# KiCad board 8851_HW-U1-VCU118_REV2-0_071417.kicad_pcb (continued)
## Routing (per net, layer and track width the routed paths; a pad name or vN(x,y) marks a point on that pad's centre or on a via; arc(x,y) is an arc through that point) (continued)
FIREFLY_RX4_P: length 72.6
  TOP w0.102: 40.98,64.15 40.98,63.56 arc(40.97,63.52) 40.95,63.49 40.88,63.42 arc(40.86,63.38) 40.85,63.34 40.85,63.03 arc(41.36,63.24) 41.15,62.73 41.77,62.73 arc(41.81,62.73) 41.84,62.76 v3(42.19,63.11)
  TOP w0.113: v2(96.69,43.15) 97.18,43.64
  05_SIG2 w0.107: v2(96.69,43.15) 96.69,42.87 arc(96.66,42.79) 96.58,42.76 93.73,42.76 arc(93.62,42.78) 93.52,42.85
  05_SIG2 w0.15: 93.52,42.85 86.67,42.85 arc(85.28,43.13) 84.09,43.92 83.05,44.96 arc(82.58,45.27) 82.03,45.38 69.6,45.38 arc(67.73,45.75) 66.14,46.81 62.65,50.31 arc(62.11,51.11) 61.92,52.06 61.92,56.18 arc(61.79,56.83) 61.43,57.38 55.7,63.11 arc(54.43,63.95) 52.94,64.25 45.82,64.25 arc(45.89,64.44) 45.71,64.36 arc(45.67,64.44) 45.6,64.47 45.07,64.47 arc(44.99,64.44) 44.96,64.36 arc(44.92,64.28) 44.85,64.25 44.38,64.25 arc(43.81,64.02) 43.58,63.45 43.58,63.08 arc(43.49,62.88) 43.29,62.8 42.56,62.8 arc(42.5,62.81) 42.45,62.85 v3(42.19,63.11)
FIREFLY_SCL: length 81.3
  TOP w0.15: v3(44.67,87.05) 44.42,86.8 42.76,86.8 41.2,85.24 41.2,84.88 40.98,84.67 40.98,83.9
  03_SIG1 w0.17: v3(58.91,139.2) 58.7,139.4 55.86,139.4 54.63,138.17 54.63,129.76 54.98,129.41 56.89,129.41 58.95,127.35 58.95,122.72 52.52,116.3 52.52,97.45 49.58,94.5 45.73,94.5 43.46,92.24 43.46,87.09 43.75,86.8 43.98,86.8 44.11,86.93 44.11,87.83 44.25,87.97 44.54,87.97 44.67,87.84 v3(44.67,87.05)
  BOTTOM w0.15: 59.97,139.2 v3(58.91,139.2) 58.6,139.2 56.77,141.03 55.84,141.03
FIREFLY_SDA: length 80.6
  TOP w0.15: v3(44.67,86.15) 44.4,86.42 42.88,86.42 41.55,85.1 41.55,84.88 41.77,84.67 41.77,83.9
  03_SIG1 w0.17: v3(44.67,86.15) 44.57,86.26 43.53,86.26 42.92,86.87 42.92,92.53 45.44,95.05 49.35,95.05 51.98,97.68 51.98,116.53 58.4,122.95 58.4,127.12 56.66,128.87 54.76,128.87 54.09,129.54 54.09,138.4 55.64,139.95 58.66,139.95 v3(58.91,140.2)
  BOTTOM w0.15: 55.84,141.67 56.9,141.67 58.38,140.2 v3(58.91,140.2) 59.97,140.2
FIREFLY_TX1_N: length 78.4
  TOP w0.102: v3(48.66,62.91) 48.31,62.56 arc(48.28,62.54) 48.24,62.53 47.21,62.53 arc(47.53,63.31) 46.75,62.98 46.75,63.34 arc(46.76,63.38) 46.78,63.42 46.86,63.49 arc(46.88,63.52) 46.89,63.56 46.89,64.15
  TOP w0.113: v2(99.64,45.12) 100.13,45.61
  03_SIG1 w0.107: v2(99.64,45.12) 99.64,45.41 arc(99.61,45.48) 99.54,45.51 99.43,45.51 arc(99.3,45.46) 99.25,45.34 99.25,43.92 arc(99.14,43.65) 98.88,43.54 94.61,43.54 arc(94.43,43.51) 94.29,43.41 arc(94.09,43.28) 93.85,43.23 93.48,43.23 arc(93.38,43.21) 93.3,43.16
  03_SIG1 w0.15: 93.3,43.16 84.84,43.16 arc(84.14,43.3) 83.55,43.69 82.7,44.54 arc(82.4,44.74) 82.05,44.81 78.65,44.81 arc(78.46,44.77) 78.29,44.66 arc(78.01,44.47) 77.67,44.4 68.4,44.4 arc(66.93,44.7) 65.69,45.53 62.76,48.46 arc(62.2,49.29) 62,50.28 62,56.28 arc(61.89,56.87) 61.56,57.36 58.89,60.03 arc(58.44,60.33) 57.91,60.44 47.84,60.44 arc(48.52,62.08) 46.88,61.4 46.88,61.86 arc(47.1,62.39) 47.63,62.6 48.29,62.6 arc(48.35,62.62) 48.4,62.65 v3(48.66,62.91)
FIREFLY_TX1_P: length 79.6
  TOP w0.102: v3(48.66,61.93) 48.31,62.27 arc(48.28,62.3) 48.24,62.3 47.21,62.3 arc(47.69,63.47) 46.53,62.98 46.53,63.34 arc(46.52,63.38) 46.5,63.42 46.42,63.49 arc(46.59,63.6) 46.39,63.56 46.39,64.15
  TOP w0.113: v2(99.64,46.11) 100.13,46.6
  03_SIG1 w0.107: 93.3,43.53 93.31,43.52 arc(93.4,43.45) 93.52,43.43 93.85,43.43 arc(94.01,43.46) 94.14,43.55 arc(94.36,43.69) 94.61,43.74 98.88,43.74 arc(99,43.79) 99.05,43.92 99.05,45.34 arc(99.16,45.6) 99.43,45.71 99.54,45.71 arc(99.61,45.74) 99.64,45.82 v2(99.64,46.11)
  03_SIG1 w0.15: 93.3,43.53 84.84,43.53 arc(84.28,43.64) 83.81,43.96 82.96,44.81 arc(82.54,45.09) 82.05,45.18 78.65,45.18 arc(78.31,45.12) 78.03,44.92 arc(77.86,44.82) 77.67,44.78 68.4,44.78 arc(67.08,45.04) 65.95,45.79 63.02,48.72 arc(62.55,49.44) 62.38,50.28 62.38,56.28 arc(62.23,57.01) 61.82,57.63 59.15,60.3 arc(58.58,60.68) 57.91,60.81 52.35,60.81 arc(52.48,61.12) 52.17,60.99 arc(52.11,61.12) 51.99,61.18 51.75,61.18 arc(51.62,61.12) 51.57,60.99 arc(51.51,60.87) 51.39,60.81 51.15,60.81 arc(51.28,61.12) 50.97,60.99 arc(50.91,61.12) 50.79,61.18 50.55,61.18 arc(50.42,61.12) 50.37,60.99 arc(50.31,60.87) 50.19,60.81 47.84,60.81 arc(48.26,61.81) 47.26,61.4 47.26,61.86 arc(47.37,62.12) 47.63,62.23 48.29,62.23 arc(48.35,62.22) 48.4,62.19 v3(48.66,61.93)
FIREFLY_TX2_N: length 71.3
  TOP w0.102: 46.89,65.73 46.89,66.21 arc(46.88,66.27) 46.84,66.32 46.8,66.36 arc(46.78,66.38) 46.77,66.4 arc(47.08,66.52) 46.75,66.48 46.75,66.5 arc(46.82,66.65) 46.97,66.71 47.56,66.71 arc(47.67,66.67) 47.71,66.56 arc(47.98,66.67) 47.87,66.4 48.07,66.4 arc(48.18,66.45) 48.23,66.56 arc(48.27,66.67) 48.38,66.71 49.28,66.71 arc(49.32,66.71) 49.35,66.68 v3(49.7,66.33)
  TOP w0.113: v2(98.66,47.09) 99.15,47.58
  03_SIG1 w0.107: v2(98.66,47.09) 98.66,47.37 arc(98.63,47.45) 98.55,47.48 93.45,47.48 arc(93.33,47.46) 93.23,47.39
  03_SIG1 w0.15: v3(49.7,66.33) 49.96,66.59 arc(50.01,66.63) 50.07,66.64 52.59,66.64 arc(52.86,66.59) 53.08,66.43 54.18,65.34 arc(54.45,65.16) 54.76,65.1 58.58,65.1 arc(59.59,64.9) 60.44,64.33 65.56,59.21 arc(66.14,58.33) 66.35,57.3 66.35,53.15 arc(68.87,54.2) 67.83,51.67 81,51.67 arc(81.78,51.52) 82.44,51.08 83.06,50.47 arc(83.52,50.16) 84.06,50.05 85.06,50.05 arc(85.35,49.99) 85.6,49.83 87.52,47.9 arc(88.09,47.52) 88.75,47.39 93.23,47.39
FIREFLY_TX2_P: length 68.7
  TOP w0.102: v3(49.7,67.32) 49.35,66.97 arc(49.32,66.95) 49.28,66.94 46.97,66.94 arc(46.66,66.81) 46.53,66.5 46.53,66.49 arc(46.52,66.44) 46.51,66.4 arc(46.5,66.39) 46.5,66.39 46.44,66.33 arc(46.41,66.28) 46.39,66.22 46.39,65.73
  TOP w0.113: v2(98.66,48.07) 99.15,48.57
  03_SIG1 w0.107: v2(98.66,48.07) 98.66,47.79 arc(98.63,47.71) 98.55,47.68 93.44,47.68 arc(93.33,47.7) 93.23,47.77
  03_SIG1 w0.15: v3(49.7,67.32) 49.96,67.06 arc(50.01,67.03) 50.07,67.01 52.59,67.01 arc(53,66.93) 53.35,66.7 54.44,65.61 arc(54.59,65.51) 54.76,65.47 58.58,65.47 arc(59.73,65.25) 60.71,64.59 65.83,59.47 arc(66.49,58.48) 66.72,57.3 66.72,53.15 arc(68.61,53.93) 67.83,52.05 81,52.05 arc(81.93,51.87) 82.71,51.34 83.32,50.73 arc(83.66,50.5) 84.06,50.42 85.06,50.42 arc(85.49,50.34) 85.86,50.09 87.79,48.17 arc(88.23,47.87) 88.75,47.77 93.23,47.77
FIREFLY_TX3_N: length 92.5
  TOP w0.102: v3(45.66,62.43) 45.37,62.72 arc(45.3,62.82) 45.28,62.95 45.28,63.45 arc(45.57,63.39) 45.32,63.56 45.37,63.61 arc(45.4,63.65) 45.41,63.71 45.41,64.15
  TOP w0.113: v2(97.67,45.12) 98.17,45.61
  03_SIG1 w0.107: v2(97.67,45.12) 97.67,45.41 arc(97.71,45.48) 97.78,45.51 97.89,45.51 arc(98.01,45.46) 98.07,45.34 98.07,45.05 arc(97.97,44.82) 97.74,44.73 93.25,44.73 arc(93.13,44.75) 93.04,44.82
  03_SIG1 w0.15: v3(45.66,62.43) 45.4,62.17 arc(45.36,62.13) 45.35,62.07 45.35,61.66 arc(45.13,61.14) 44.6,60.92 42.91,60.92 arc(42.82,60.9) 42.74,60.85 arc(42.5,60.69) 42.23,60.64 38.33,60.64 arc(38.84,61.88) 37.6,61.36 37.6,63.65 arc(38.04,64.7) 39.09,65.14 46.9,65.14 arc(47.39,65.04) 47.81,64.77 47.95,64.63 arc(48.62,64.17) 49.43,64.01 52.5,64.01 arc(52.7,63.97) 52.87,63.86 53.58,63.15 arc(53.86,62.97) 54.19,62.9 56.04,62.9 arc(58.06,62.5) 59.77,61.36 63.01,58.11 arc(63.58,57.27) 63.77,56.27 63.77,50.55 arc(63.94,49.7) 64.43,48.97 66.96,46.44 arc(67.53,46.06) 68.2,45.92 76.75,45.92 arc(76.91,45.96) 77.05,46.05 arc(77.44,46.31) 77.89,46.4 81.74,46.4 arc(83,46.15) 84.06,45.44 84.36,45.14 arc(84.72,44.9) 85.14,44.82 93.04,44.82
FIREFLY_TX3_P: length 91.8
  TOP w0.102: 44.92,64.15 44.92,63.7 arc(45.16,63.75) 44.96,63.61 45,63.56 arc(45.04,63.51) 45.05,63.45 45.05,62.97 arc(45.02,62.83) 44.94,62.71 v3(44.67,62.43)
  TOP w0.113: v2(97.67,46.11) 98.17,46.6
  03_SIG1 w0.107: v2(97.67,46.11) 97.67,45.82 arc(97.86,45.9) 97.78,45.71 97.89,45.71 arc(98.16,45.6) 98.27,45.34 98.27,45.05 arc(98.11,44.68) 97.74,44.53 93.25,44.53 arc(93.13,44.51) 93.04,44.44
  03_SIG1 w0.15: v3(44.67,62.43) 44.93,62.17 arc(44.97,62.13) 44.98,62.07 44.98,61.66 arc(44.87,61.4) 44.6,61.29 42.91,61.29 arc(42.67,61.25) 42.47,61.11 arc(42.36,61.04) 42.23,61.01 41.64,61.01 arc(41.71,61.18) 41.54,61.11 arc(41.51,61.18) 41.44,61.2 40.89,61.2 arc(40.82,61.18) 40.79,61.11 arc(40.76,61.04) 40.69,61.01 38.33,61.01 arc(38.58,61.61) 37.98,61.36 37.98,63.65 arc(38.3,64.44) 39.09,64.77 46.9,64.77 arc(47.25,64.7) 47.54,64.5 47.68,64.36 arc(48.48,63.83) 49.43,63.64 50.34,63.64 arc(50.6,63.53) 50.71,63.26 50.71,63.21 arc(51.09,63.59) 51.46,63.21 51.46,63.26 arc(51.57,63.53) 51.84,63.64 52.5,63.64 arc(52.56,63.63) 52.6,63.6 53.31,62.89 arc(53.71,62.62) 54.19,62.53 56.04,62.53 arc(57.92,62.15) 59.5,61.09 62.75,57.85 arc(63.23,57.12) 63.4,56.27 63.4,50.55 arc(63.6,49.55) 64.16,48.71 66.7,46.17 arc(67.39,45.71) 68.2,45.55 76.75,45.55 arc(77.06,45.61) 77.32,45.78 arc(77.58,45.96) 77.89,46.03 81.74,46.03 arc(82.86,45.8) 83.8,45.17 84.1,44.87 arc(84.58,44.55) 85.14,44.44 93.04,44.44
FIREFLY_TX4_N: length 80.3
  TOP w0.102: 45.41,65.73 45.41,66.27 arc(45.4,66.31) 45.38,66.34 45.31,66.41 arc(45.28,66.45) 45.28,66.49 45.28,67.6 arc(45.29,67.69) 45.32,67.77 45.39,67.86 v3(45.66,68.13)
  TOP w0.113: v2(95.71,45.12) 96.2,45.61
  03_SIG1 w0.107: v2(95.71,45.12) arc(95.59,45.4) 95.31,45.51 93.72,45.51 arc(93.48,45.55) 93.28,45.67 arc(93.19,45.72) 93.1,45.74 92.96,45.74 arc(92.84,45.72) 92.74,45.65
  03_SIG1 w0.15: v3(45.66,68.13) 45.4,68.39 arc(45.38,68.41) 45.36,68.43 45.35,68.5 45.35,69.22 arc(45.14,69.73) 44.63,69.94 42.9,69.94 arc(42.32,69.7) 42.08,69.11 42.08,67.21 arc(43.48,67.79) 42.9,66.38 46.97,66.38 arc(47.3,66.32) 47.59,66.13 48.4,65.32 arc(48.98,64.93) 49.66,64.79 52.7,64.79 arc(53.02,64.73) 53.3,64.55 53.54,64.3 arc(53.99,64) 54.51,63.9 55.5,63.9 arc(56.85,63.77) 58.15,63.37 arc(59.35,62.73) 60.4,61.87 63.85,58.41 arc(64.55,57.37) 64.8,56.14 64.8,50.44 arc(64.93,49.76) 65.32,49.18 67.03,47.47 arc(67.38,47.23) 67.81,47.15 79.94,47.15 arc(80.26,47.21) 80.53,47.39 80.97,47.83 arc(81.18,47.97) 81.43,48.02 81.97,48.02 arc(82.64,47.89) 83.21,47.51 83.72,47 arc(85.22,46) 86.97,45.65 92.74,45.65
FIREFLY_TX4_P: length 85
  TOP w0.102: v3(44.67,68.13) 44.97,67.83 45.01,67.77 arc(45.04,67.7) 45.05,67.63 45.05,67.63 arc(46.24,67.58) 45.05,67.6 45.05,66.49 arc(45.04,66.45) 45.02,66.41 44.95,66.34 arc(44.93,66.31) 44.92,66.27 44.92,65.73
  TOP w0.113: v2(95.71,46.11) 96.2,46.6
  03_SIG1 w0.107: v2(95.71,46.11) 95.71,45.82 arc(95.67,45.74) 95.6,45.71 93.72,45.71 arc(93.55,45.74) 93.41,45.82 arc(93.26,45.91) 93.1,45.94 92.95,45.94 arc(92.84,45.96) 92.74,46.03
  03_SIG1 w0.15: 92.74,46.03 86.97,46.03 arc(85.36,46.35) 83.99,47.26 83.48,47.77 arc(82.79,48.24) 81.97,48.4 81.43,48.4 arc(81.04,48.32) 80.7,48.1 80.26,47.66 arc(80.12,47.56) 79.94,47.53 67.81,47.53 arc(67.53,47.58) 67.29,47.74 65.59,49.45 arc(65.28,49.9) 65.17,50.44 65.17,56.14 arc(64.9,57.51) 64.12,58.68 60.66,62.14 arc(59.56,63.04) 58.3,63.72 arc(56.92,64.13) 55.5,64.28 54.51,64.28 arc(54.13,64.35) 53.81,64.57 53.56,64.81 arc(53.17,65.08) 52.7,65.17 49.66,65.17 arc(49.12,65.28) 48.66,65.58 47.86,66.39 arc(47.45,66.66) 46.97,66.76 44.11,66.76 arc(44.26,67.13) 43.89,66.98 arc(43.83,67.13) 43.67,67.19 43.51,67.19 arc(43.35,67.13) 43.29,66.98 arc(43.23,66.82) 43.07,66.76 42.9,66.76 arc(43.22,67.53) 42.45,67.21 42.45,67.63 arc(42.52,67.79) 42.68,67.86 arc(42.84,67.93) 42.91,68.09 42.91,68.23 arc(42.84,68.39) 42.68,68.46 arc(42.84,68.85) 42.45,68.69 42.45,69.11 arc(42.58,69.43) 42.9,69.56 43.06,69.56 arc(43.17,69.52) 43.21,69.41 43.21,69.31 arc(43.65,69.49) 43.47,69.06 43.56,69.06 arc(43.74,69.13) 43.81,69.31 arc(43.89,69.49) 44.07,69.56 44.63,69.56 arc(44.88,69.46) 44.98,69.22 44.98,68.5 44.96,68.43 arc(44.95,68.41) 44.93,68.39 v3(44.67,68.13)
FMC_HPC1_CLK0_M2C_N: length 146.5
  TOP w0.102: J2.H5 v3(169.15,164.5) ; v2(136.06,49.06) 135.57,49.55
  16_SIG5 w0.075: 139.55,49.41 139.53,49.41 139.49,49.45 136.14,49.45 136.06,49.38 v2(136.06,49.06)
  16_SIG5 w0.087: 139.55,49.41 148.67,49.41 151.89,52.63 151.89,93.33 153.77,95.21 156.19,95.21 158.1,97.11 158.1,101.31 159.11,102.32 159.72,102.32 163.57,106.17 164.28,106.17 172.69,114.59 172.69,121.42 173.23,121.96 173.23,139.51 174.13,140.42 174.13,150.46 171.16,153.44 171.16,164.9 170.81,165.26 169.91,165.26 v3(169.15,164.5)
FMC_HPC1_CLK0_M2C_P: length 146.5
  TOP w0.102: v2(136.06,50.04) 135.57,50.53 ; J2.H4 v3(170.4,164.5)
  16_SIG5 w0.075: v2(136.06,50.04) 136.06,49.72 136.14,49.65 139.49,49.65 139.53,49.69 139.55,49.69
  16_SIG5 w0.087: 139.55,49.69 148.56,49.69 151.62,52.75 151.62,93.44 153.66,95.48 156.08,95.48 157.82,97.22 157.82,101.42 158.99,102.59 159.6,102.59 163.46,106.45 164.16,106.45 172.42,114.7 172.42,121.54 172.96,122.08 172.96,139.62 173,139.67 173.86,140.53 173.86,150.35 170.89,153.32 170.89,164.79 170.7,164.98 170.02,164.98 169.72,164.69 169.72,164.1 169.83,164 170.23,164 170.4,164.17 v3(170.4,164.5)
FMC_HPC1_CLK1_M2C_N: length 159.3
  TOP w0.102: v2(131.14,53.98) 130.65,54.47 ; J2.G3 v3(171.65,163.25)
  18_SIG6 w0.075: v2(131.14,53.98) 131.14,54.26 131.25,54.37 131.4,54.37 131.53,54.24 131.53,51.61 131.73,51.42 132.29,51.42 132.52,51.19 132.52,47.74 132.77,47.48 134.22,47.48 135.24,47.48 136.22,47.48 137.21,47.48 137.87,47.48 137.87,47.48 138.19,47.48 139.18,47.48 139.84,47.48 139.88,47.44
  18_SIG6 w0.087: 139.88,47.44 140.52,47.44 143.97,50.89 143.97,65.63 147.42,69.08 147.42,84.79 148.53,85.9 149.73,85.9 151.9,88.07 151.9,93.31 152.52,93.93 163.59,93.93 165.76,96.1 168.72,96.1 170.14,97.52 170.14,102.47 169.85,102.76 169.85,104.47 170.22,104.83 170.22,135.66 171.4,136.84 171.4,141.04 173.66,143.3 173.66,163.59 173.24,164.01 172.41,164.01 v3(171.65,163.25)
FMC_HPC1_CLK1_M2C_P: length 159
  TOP w0.102: J2.G2 v3(172.9,163.25) ; v2(131.14,54.96) 130.65,55.46
  18_SIG6 w0.075: v2(131.14,54.96) 131.14,54.68 131.25,54.57 131.48,54.57 131.73,54.32 131.73,51.7 131.81,51.62 132.37,51.62 132.72,51.27 132.72,47.82 132.85,47.68 134.3,47.68 135.32,47.68 136.31,47.68 137.29,47.68 138.27,47.68 138.27,47.68 138.77,47.68 139.82,47.68 139.86,47.72 139.88,47.72
  18_SIG6 w0.087: 139.88,47.72 140.4,47.72 143.69,51.01 143.69,65.74 147.14,69.19 147.14,84.91 148.41,86.18 149.62,86.18 151.62,88.18 151.62,93.42 152.41,94.21 163.47,94.21 165.64,96.37 168.6,96.37 169.87,97.64 169.87,102.36 169.58,102.65 169.58,104.58 169.94,104.95 169.94,135.77 171.13,136.96 171.13,141.15 173.39,143.41 173.39,163.47 173.12,163.74 172.53,163.74 172.27,163.48 172.27,163 172.43,162.84 172.72,162.84 172.9,163.01 172.9,163.25 v3(172.9,163.25)
FMC_HPC1_IIC_SCL: length 74.8
  TOP w0.138: v3(142.06,120.25) 141.42,119.61 139.58,119.61
  TOP w0.15: J2.C30 v3(137.9,158.25)
  05_SIG2 w0.17: v3(137.9,158.25) 138.19,158.54 138.36,158.54 138.54,158.35 138.54,155.17 140.16,153.56 140.16,150.11 141.55,148.71 144.09,148.71 144.24,148.87 144.24,152.15 144.88,152.79 146.41,152.79 147.04,152.16 147.04,148.12 147.21,147.95 149.75,147.95 150.45,147.25 150.45,145.18 149.74,144.48 143.41,144.48 143.24,144.31 143.24,142.72 144.94,141.02 144.94,128.83 143.59,127.48 140.97,127.48 140.51,127.02 140.51,125.78 141.06,125.23 141.06,122.32 141.45,121.93 141.45,120.86 v3(142.06,120.25)
  BOTTOM w0.15: R626.2 139.13,121.69 140.03,120.8 141.51,120.8 v3(142.06,120.25)
FMC_HPC1_IIC_SDA: length 72.9
  TOP w0.138: 139.58,118.97 v3(140.94,118.97)
  TOP w0.15: J2.C31 v3(136.65,158.25)
  05_SIG2 w0.17: v3(140.94,118.97) 140.32,119.58 140.32,122.08 140.51,122.27 140.51,125 139.96,125.55 139.96,127.24 140.74,128.02 143.36,128.02 144.39,129.05 144.39,140.79 142.69,142.49 142.69,144.53 143.18,145.02 149.52,145.02 149.9,145.41 149.9,147.03 149.52,147.41 146.98,147.41 146.49,147.9 146.49,151.93 146.18,152.24 145.11,152.24 144.79,151.92 144.79,148.64 144.32,148.17 141.32,148.17 139.61,149.88 139.61,152.1 139.61,153.33 137.92,155.02 137.63,155.02 137.23,155.42 137.23,157.67 v3(136.65,158.25)
  BOTTOM w0.15: v3(140.94,118.97) 140.29,118.32 R625.2
FMC_HPC1_LA00_CC_N: length 145.4
  TOP w0.102: 133.6,50.53 v2(134.09,50.04) ; J2.G7 v3(166.65,163.25)
  16_SIG5 w0.075: 139.71,50.4 139.69,50.4 139.65,50.44 135.82,50.44 135.47,50.78 135.47,51.19 135.24,51.42 133.93,51.42 133.7,51.19 133.7,50.12 133.77,50.04 v2(134.09,50.04)
  16_SIG5 w0.087: v3(166.65,163.25) 167.41,164.01 168.23,164.01 168.66,163.58 168.66,154.53 171.88,151.31 171.88,140.8 171.29,140.21 171.29,136.75 170.55,136.02 170.55,117.58 167.15,114.18 167.15,111.17 160.64,104.67 157.82,104.67 157.45,104.29 157.45,102.71 156.07,101.34 156.07,100.48 155.72,100.13 155.72,97.05 154.78,96.12 153.4,96.12 152.6,95.32 151.87,95.32 150.94,94.39 150.94,84.89 150.18,84.13 150.18,60.62 148.36,58.8 147.96,58.8 146.78,57.61 146.78,53.96 143.22,50.4 139.71,50.4
FMC_HPC1_LA00_CC_P: length 145.5
  TOP w0.102: J2.G6 v3(167.9,163.25) ; 132.62,50.53 v2(133.11,50.04)
  16_SIG5 w0.075: v2(133.11,50.04) 133.43,50.04 133.5,50.12 133.5,51.27 133.85,51.62 135.32,51.62 135.67,51.27 135.67,50.86 135.9,50.63 139.65,50.63 139.69,50.67 139.71,50.67
  16_SIG5 w0.087: v3(167.9,163.25) 167.9,162.95 167.78,162.83 167.43,162.83 167.3,162.96 167.3,163.51 167.53,163.74 168.11,163.74 168.39,163.46 168.39,154.41 171.6,151.2 171.6,140.91 171.01,140.33 171.01,136.87 170.27,136.13 170.27,117.69 166.87,114.29 166.87,111.28 160.53,104.94 157.7,104.94 157.17,104.41 157.17,102.83 155.8,101.45 155.8,100.59 155.44,100.24 155.44,97.17 154.67,96.39 153.28,96.39 152.48,95.59 151.75,95.59 150.66,94.51 150.66,85 149.91,84.25 149.91,60.74 148.25,59.08 147.85,59.08 146.5,57.73 146.5,54.07 143.1,50.67 139.71,50.67
FMC_HPC1_LA01_CC_N: length 143.6
  TOP w0.102: J2.D9 v3(164.15,159.5)
  TOP w0.15: v2(139.01,50.04) 138.52,50.53
  18_SIG6 w0.087: v2(139.01,50.04) 139.39,50.42 141.45,50.42 143.04,52.01 143.04,66 146.47,69.43 146.47,85.44 148.02,86.99 148.8,86.99 150.9,89.09 150.9,94.72 151.6,95.43 163.76,95.43 166.46,98.13 168.34,98.13 169.12,98.91 169.12,100.55 167.47,102.19 167.47,106.28 167.78,106.59 167.78,125.38 169.07,126.67 169.07,131.16 168.12,132.11 168.12,142.81 168.75,143.44 168.75,149.8 168.2,150.35 166.45,150.35 166.37,150.43 166.37,150.74 166.5,150.87 167.1,150.87 167.35,151.12 167.35,151.7 167.1,151.95 166.5,151.95 166.41,152.03 166.41,152.38 166.5,152.47 167.54,152.47 167.79,152.72 167.79,153.62 166.16,155.24 166.16,159.88 165.78,160.26 164.91,160.26 v3(164.15,159.5)
FMC_HPC1_LA01_CC_P: length 143.8
  TOP w0.102: J2.D8 v3(165.4,159.5)
  TOP w0.15: v2(139.01,51.03) 138.52,51.52
  18_SIG6 w0.087: v2(139.01,51.03) 139.34,50.69 141.33,50.69 142.77,52.13 142.77,66.11 146.2,69.54 146.2,85.55 147.91,87.26 148.68,87.26 150.63,89.21 150.63,94.84 151.49,95.7 163.64,95.7 166.35,98.41 168.23,98.41 168.84,99.02 168.84,100.43 167.19,102.08 167.19,106.4 167.5,106.7 167.5,125.49 168.8,126.79 168.8,131.04 167.84,132 167.84,142.92 168.47,143.56 168.47,149.69 168.09,150.07 166.34,150.07 166.09,150.32 166.09,150.85 166.39,151.15 166.99,151.15 167.07,151.23 167.07,151.58 166.99,151.67 166.39,151.67 166.14,151.92 166.14,152.5 166.39,152.75 167.43,152.75 167.51,152.83 167.51,153.5 165.89,155.13 165.89,159.76 165.66,159.99 165.03,159.99 164.7,159.67 164.7,159.07 164.84,158.94 165.31,158.94 165.4,159.03 v3(165.4,159.5)
FMC_HPC1_LA02_N: length 147.3
  TOP w0.102: v2(137.04,52.01) 136.55,52.5 ; J2.H8 v3(165.4,164.5)
  16_SIG5 w0.075: v2(137.04,52.01) 136.72,52.01 136.65,51.94 136.65,51.83 136.86,51.62 139.55,51.62 139.59,51.66 139.61,51.66
  16_SIG5 w0.087: 139.61,51.66 142.47,51.66 145.38,54.57 145.38,59.74 145.96,60.33 148.15,60.33 148.9,61.08 148.9,84.89 149.75,85.73 149.75,95.14 151.29,96.68 152.29,96.68 152.86,97.25 152.86,97.83 154.08,99.05 154.08,100.06 154.5,100.48 154.5,101.54 155.72,102.76 155.72,104.3 157.44,106.03 160.24,106.03 165.38,111.17 165.38,116.23 166.75,117.6 166.75,125.88 168.43,127.55 168.43,133.27 167.83,133.88 167.83,143.39 168.44,144 169.53,144 170.08,144.55 170.08,145.49 169.95,145.62 169.33,145.62 169.03,145.91 169.03,146.41 169.33,146.7 169.95,146.7 170.08,146.83 170.08,147.1 169.95,147.23 169.33,147.23 169.03,147.52 169.03,148.02 169.33,148.31 169.95,148.31 170.08,148.44 170.08,148.71 169.95,148.84 169.33,148.84 169.03,149.13 169.03,149.63 169.33,149.92 169.95,149.92 170.08,150.05 170.08,150.7 168.99,151.8 168.73,151.8 168.06,151.13 167.64,151.13 167.11,151.66 167.11,152.08 167.97,152.94 167.97,153.12 165.89,155.2 165.89,164.13 166.08,164.32 166.08,164.74 165.96,164.85 165.46,164.85 165.4,164.79 v3(165.4,164.5)
FMC_HPC1_LA02_P: length 146.9
  TOP w0.102: v2(136.06,52.01) 135.57,52.5 ; J2.H7 v3(166.65,164.5)
  16_SIG5 w0.075: 139.61,51.38 139.59,51.38 139.55,51.42 136.78,51.42 136.45,51.75 136.45,51.94 136.38,52.01 v2(136.06,52.01)
  16_SIG5 w0.087: 139.61,51.38 142.58,51.38 145.65,54.45 145.65,59.63 146.07,60.05 148.26,60.05 149.18,60.96 149.18,84.77 150.03,85.62 150.03,95.03 151.41,96.41 152.4,96.41 153.13,97.14 153.13,97.71 154.36,98.94 154.36,99.95 154.77,100.37 154.77,101.43 155.99,102.65 155.99,104.19 157.55,105.75 160.35,105.75 165.65,111.05 165.65,116.12 167.03,117.49 167.03,125.76 168.7,127.44 168.7,133.39 168.1,133.99 168.1,143.28 168.55,143.73 169.64,143.73 170.36,144.44 170.36,145.6 170.06,145.9 169.44,145.9 169.31,146.03 169.31,146.29 169.44,146.43 170.06,146.43 170.36,146.72 170.36,147.21 170.06,147.51 169.44,147.51 169.31,147.64 169.31,147.9 169.44,148.04 170.06,148.04 170.36,148.33 170.36,148.82 170.06,149.12 169.44,149.12 169.31,149.25 169.31,149.51 169.44,149.65 170.06,149.65 170.36,149.94 170.36,150.82 169.1,152.07 168.62,152.07 167.94,151.4 167.76,151.4 167.38,151.78 167.38,151.96 168.24,152.82 168.24,153.24 166.16,155.32 166.16,164.01 v3(166.65,164.5)
FMC_HPC1_LA03_N: length 148.6
  TOP w0.102: J2.G10 v3(162.9,163.25) ; v2(138.03,52.99) 137.54,53.49
  16_SIG5 w0.075: v2(138.03,52.99) 137.71,52.99 137.63,52.92 137.63,52.81 137.85,52.6 139.59,52.6 139.63,52.64 139.65,52.64
  16_SIG5 w0.087: 139.65,52.64 142.08,52.64 144.32,54.88 144.32,59.91 148,63.59 148,66.99 147.47,67.51 147.47,91.14 148.73,92.39 148.73,92.65 148.75,92.67 148.75,95.57 148.73,95.59 148.73,96.44 149.23,96.94 150.02,96.94 150.46,97.38 150.46,98.04 151.68,99.26 151.68,100.15 151.15,100.67 151.15,101.67 151.94,102.47 153.62,102.47 154.32,103.16 154.32,105.02 155.12,105.83 155.12,107.88 160.71,113.47 160.71,119.42 161,119.71 163.54,119.71 163.68,119.84 163.68,120.37 163.54,120.5 161,120.5 160.71,120.8 160.71,121.56 161,121.85 164.01,121.85 164.14,121.98 164.14,122.51 164.01,122.64 161,122.64 160.71,122.94 160.71,123.7 161,123.99 163.41,123.99 163.54,124.12 163.54,124.65 163.41,124.78 161,124.78 160.71,125.08 160.71,128.63 166.12,134.04 166.12,150.74 165.4,151.46 165.4,153.24 163.39,155.25 163.39,162.88 163.57,163.05 163.57,163.35 163.44,163.48 163.13,163.48 v3(162.9,163.25)
FMC_HPC1_LA03_P: length 148.6
  TOP w0.102: J2.G9 v3(164.15,163.25) ; v2(137.04,52.99) 136.55,53.49
  16_SIG5 w0.075: 139.65,52.37 139.63,52.37 139.59,52.41 137.77,52.41 137.44,52.73 137.44,52.92 137.36,52.99 v2(137.04,52.99)
  16_SIG5 w0.087: 139.65,52.37 142.2,52.37 144.6,54.77 144.6,59.8 148.28,63.47 148.28,67.1 147.75,67.62 147.75,91.02 149,92.28 149,92.53 149.03,92.56 149.03,95.68 149,95.71 149,96.33 149.34,96.67 150.13,96.67 150.73,97.26 150.73,97.93 151.95,99.15 151.95,100.26 151.43,100.79 151.43,101.56 152.06,102.19 153.73,102.19 154.59,103.05 154.59,104.91 155.39,105.71 155.39,107.77 160.99,113.36 160.99,119.3 161.12,119.43 163.66,119.43 163.95,119.73 163.95,120.49 163.66,120.78 161.12,120.78 160.99,120.91 160.99,121.44 161.12,121.57 164.12,121.57 164.41,121.87 164.41,122.63 164.12,122.92 161.12,122.92 160.99,123.05 160.99,123.58 161.12,123.71 163.52,123.71 163.81,124.01 163.81,124.77 163.52,125.06 161.12,125.06 160.99,125.19 160.99,128.51 166.4,133.93 166.4,150.85 165.68,151.58 165.68,153.35 163.66,155.36 163.66,162.76 v3(164.15,163.25)
FMC_HPC1_LA04_N: length 145.7
  TOP w0.102: v2(139.01,52.01) 138.52,52.5 ; J2.H11 v3(161.65,164.5)
  18_SIG6 w0.087: v3(161.65,164.5) 162.41,165.26 163.29,165.26 163.66,164.89 163.66,155.17 164.6,154.23 164.6,153.58 164.28,153.26 162.14,153.26 162,153.12 162,152.59 162.13,152.46 164.28,152.46 164.62,152.11 164.62,151.35 164.32,151.05 163.62,151.05 163.5,150.93 163.5,150.43 163.6,150.32 165.24,150.32 165.53,150.03 165.53,149.27 165.24,148.98 164.03,148.98 163.8,148.75 163.8,148.41 164.03,148.18 165.24,148.18 165.53,147.89 165.53,144.54 167.18,142.89 167.18,138.43 166.39,137.63 166.39,130.17 168.03,128.52 168.03,127.06 166.79,125.81 166.79,110.7 160.94,104.86 160.94,103.54 159.85,102.44 158.86,102.44 158.11,101.69 158.11,97.04 157.41,96.34 151.23,96.34 149.99,95.1 149.99,91.6 145.53,87.13 145.53,69.81 141.98,66.27 141.98,54.51 139.71,52.25 139.25,52.25 v2(139.01,52.01)
FMC_HPC1_LA04_P: length 146.1
  TOP w0.102: v2(139.01,52.99) 138.52,53.49 ; J2.H10 v3(162.9,164.5)
  18_SIG6 w0.087: v3(162.9,164.5) 162.9,164.22 162.78,164.1 162.38,164.1 162.25,164.23 162.25,164.71 162.53,164.99 163.17,164.99 163.39,164.77 163.39,155.05 164.32,154.12 164.32,153.69 164.16,153.53 162.03,153.53 161.73,153.23 161.73,152.48 162.02,152.19 164.16,152.19 164.35,152 164.35,151.47 164.21,151.33 163.51,151.33 163.22,151.04 163.22,150.31 163.49,150.05 165.12,150.05 165.25,149.91 165.25,149.38 165.12,149.25 163.92,149.25 163.53,148.86 163.53,148.3 163.92,147.91 165.12,147.91 165.25,147.77 165.25,144.43 166.91,142.78 166.91,138.54 166.11,137.75 166.11,130.05 167.76,128.41 167.76,127.17 166.51,125.93 166.51,110.81 160.67,104.97 160.67,103.65 159.73,102.72 158.75,102.72 157.84,101.8 157.84,97.16 157.29,96.62 151.12,96.62 149.72,95.21 149.72,91.72 145.25,87.25 145.25,69.93 141.7,66.38 141.7,54.62 139.6,52.52 138.9,52.52 138.81,52.62 138.81,52.79 v2(139.01,52.99)
FMC_HPC1_LA05_N: length 148.8
  TOP w0.102: J2.D12 v3(160.4,159.5) ; 138.52,55.46 v2(139.01,54.96)
  16_SIG5 w0.075: 140.1,54.62 140.08,54.62 140.04,54.58 138.82,54.58 138.62,54.78 138.62,54.89 138.69,54.96 v2(139.01,54.96)
  16_SIG5 w0.087: v3(160.4,159.5) 160.75,159.85 160.91,159.85 161.06,159.71 161.06,159.3 160.89,159.13 160.89,150.86 159.01,148.98 159.01,133.68 157.97,132.64 157.97,130.1 157.69,129.81 156.23,129.81 155.95,129.53 155.95,128.96 156.2,128.71 158.33,128.71 158.55,128.48 158.55,128.17 158.42,128.04 154.01,128.04 153.68,127.71 153.68,127.05 154.02,126.7 157.99,126.7 158.67,126.01 158.67,121.93 158.27,121.53 157.5,121.53 157.27,121.76 157.27,123.1 156.9,123.47 155.92,123.47 155.59,123.13 155.59,121.04 155.31,120.77 154.51,120.77 153.98,120.25 153.06,120.25 151.36,118.55 151.36,117.78 151.65,117.48 152.19,117.48 152.33,117.35 152.33,116.82 152.19,116.69 151.65,116.69 151.36,116.4 151.36,115.64 151.65,115.34 154.35,115.34 154.49,115.2 154.49,114.68 154.36,114.55 153.85,114.55 153.56,114.26 153.56,113.81 153.43,113.68 152.9,113.68 152.76,113.81 152.76,114.26 152.47,114.55 151.65,114.55 151.36,114.26 151.36,111.6 151.22,111.47 150.77,111.47 150.47,111.17 150.47,110.42 150.77,110.12 151.22,110.12 151.36,109.99 151.36,109.46 148.88,106.98 148.88,104.09 148.48,103.7 148.48,102.51 147.5,101.53 147.5,100.84 146.5,99.84 146.5,98.98 145.36,97.84 145.36,97.13 143.53,95.3 143.53,93.14 144.92,91.75 144.92,69.73 142.43,67.23 142.43,56.28 140.76,54.62 140.1,54.62
FMC_HPC1_LA05_P: length 148.6
  TOP w0.102: J2.D11 v3(161.65,159.5) ; 137.54,55.46 v2(138.03,54.96)
  16_SIG5 w0.075: v2(138.03,54.96) 138.35,54.96 138.42,54.89 138.42,54.7 138.74,54.38 140.04,54.38 140.08,54.34 140.1,54.34
  16_SIG5 w0.087: v3(161.65,159.5) 161.16,159.01 161.16,150.75 159.28,148.87 159.28,133.56 158.25,132.53 158.25,129.98 157.8,129.54 156.35,129.54 156.22,129.42 156.22,129.07 156.32,128.98 158.44,128.98 158.83,128.6 158.83,128.06 158.53,127.77 154.12,127.77 153.95,127.6 153.95,127.16 154.14,126.97 158.1,126.97 158.94,126.13 158.94,121.82 158.38,121.26 157.38,121.26 156.99,121.65 156.99,122.99 156.79,123.19 156.03,123.19 155.86,123.02 155.86,120.93 155.43,120.49 154.62,120.49 154.1,119.97 153.17,119.97 151.63,118.43 151.63,117.89 151.76,117.76 152.31,117.76 152.6,117.47 152.6,116.71 152.31,116.41 151.76,116.41 151.63,116.28 151.63,115.75 151.76,115.62 154.46,115.62 154.77,115.32 154.77,114.57 154.48,114.27 153.97,114.27 153.83,114.14 153.83,113.7 153.54,113.41 152.78,113.41 152.49,113.7 152.49,114.14 152.36,114.27 151.76,114.27 151.63,114.14 151.63,111.49 151.34,111.19 150.88,111.19 150.75,111.06 150.75,110.53 150.88,110.4 151.34,110.4 151.63,110.1 151.63,109.35 149.15,106.87 149.15,103.98 148.75,103.58 148.75,102.39 147.77,101.41 147.77,100.72 146.78,99.73 146.78,98.87 145.64,97.73 145.64,97.02 143.81,95.19 143.81,93.25 145.2,91.86 145.2,69.62 142.7,67.12 142.7,56.17 140.88,54.34 140.1,54.34
FMC_HPC1_LA06_N: length 147.8
  TOP w0.102: 137.54,54.47 v2(138.03,53.98) ; J2.C11 v3(161.65,158.25)
  16_SIG5 w0.075: v2(138.03,53.98) 137.71,53.98 137.63,53.9 137.63,53.8 137.85,53.58 139.69,53.58 139.72,53.62 139.74,53.62
  16_SIG5 w0.087: v3(161.65,158.25) 161.96,158.56 162.21,158.56 162.3,158.46 162.3,158.04 162.14,157.88 162.14,153.47 162.43,153.17 163.93,153.17 164.23,152.87 164.23,152.25 164.1,152.12 162.09,152.12 161.8,151.83 161.8,151.07 162.09,150.77 164.1,150.77 164.23,150.64 164.23,150.11 164.1,149.98 161.7,149.98 160.25,148.52 160.25,146.91 160.62,146.54 163.14,146.54 163.28,146.41 163.28,145.88 163.14,145.75 161.09,145.75 160.79,145.45 160.79,144.7 161.09,144.4 163.14,144.4 163.28,144.27 163.28,143.74 163.14,143.61 161.09,143.61 160.79,143.31 160.79,142.56 161.09,142.26 163.41,142.26 163.68,142 163.68,141.24 162.2,139.76 162.2,138.76 160.79,137.36 160.79,131.86 159.59,130.65 159.59,121.24 158.43,120.08 158.43,116.62 158.27,116.46 157.33,116.46 157.04,116.18 157.04,115.44 157.34,115.15 158.78,115.15 159.18,114.75 159.18,113.42 156.98,111.22 156.07,111.22 153.34,108.5 152.94,108.5 149.86,105.41 149.86,100.8 149.1,100.04 149.1,99.02 148.73,98.66 147.46,98.66 146.45,97.64 146.45,96.59 147.84,95.19 147.84,93.05 145.85,91.05 145.85,69.35 143.35,66.85 143.35,55.8 141.18,53.62 139.74,53.62
FMC_HPC1_LA06_P: length 148.4
  TOP w0.102: J2.C10 v3(162.9,158.25) ; 136.55,54.47 v2(137.04,53.98)
  TOP w0.375: v2(105.55,44.14) U1.BD13
  16_SIG5 w0.075: v2(137.04,53.98) 137.36,53.98 137.44,53.9 137.44,53.72 137.77,53.39 139.69,53.39 139.72,53.35 139.74,53.35
  16_SIG5 w0.087: v3(162.9,158.25) 162.41,157.76 162.41,153.58 162.54,153.45 164.04,153.45 164.51,152.98 164.51,152.14 164.21,151.84 162.21,151.84 162.07,151.71 162.07,151.18 162.21,151.05 164.21,151.05 164.51,150.76 164.51,150 164.21,149.7 161.82,149.7 160.53,148.41 160.53,147.03 160.73,146.82 163.26,146.82 163.55,146.52 163.55,145.77 163.26,145.47 161.2,145.47 161.07,145.34 161.07,144.81 161.2,144.68 163.26,144.68 163.55,144.38 163.55,143.63 163.26,143.33 161.2,143.33 161.07,143.2 161.07,142.67 161.2,142.54 163.53,142.54 163.95,142.11 163.95,141.12 162.47,139.65 162.47,138.65 161.07,137.24 161.07,131.74 159.87,130.54 159.87,121.12 158.71,119.96 158.71,116.51 158.39,116.19 157.44,116.19 157.32,116.07 157.32,115.55 157.45,115.42 158.9,115.42 159.46,114.86 159.46,113.31 157.1,110.95 156.18,110.95 153.46,108.22 153.06,108.22 150.13,105.3 150.13,100.68 149.37,99.92 149.37,98.91 148.84,98.38 147.57,98.38 146.72,97.53 146.72,96.71 148.12,95.31 148.12,92.93 146.12,90.94 146.12,69.23 143.63,66.74 143.63,55.68 141.3,53.35 139.74,53.35
FMC_HPC1_LA07_N: length 150.4
  TOP w0.102: 136.55,56.44 v2(137.04,55.95) ; J2.H14 v3(157.9,164.5)
  16_SIG5 w0.075: v2(137.04,55.95) 136.72,55.95 136.65,56.02 136.65,60.05 136.88,60.28 138.27,60.28 138.62,60.62 138.62,68.91 138.85,69.14 139.31,69.14 139.35,69.1 139.37,69.1
  16_SIG5 w0.087: v3(157.9,164.5) 158.14,164.74 158.14,164.87 158.03,164.99 157.54,164.99 157.41,164.86 157.41,163 157.65,162.76 157.7,162.76 158.33,162.76 158.66,162.43 158.66,159.14 158.26,158.74 156.45,158.74 156.16,158.45 156.16,158.43 156.16,154.65 153.89,152.38 149.43,152.38 148.08,151.03 148.08,148.97 149.13,147.93 151.36,145.69 151.36,145.34 150.76,144.74 150.41,144.74 149.04,146.11 148.86,146.11 148.48,145.73 148.48,145.54 150.14,143.89 150.14,143.47 149.6,142.94 149.19,142.94 147.53,144.59 147.34,144.59 146.97,144.22 146.97,144.03 147.81,143.19 147.81,142.77 147.27,142.24 146.86,142.24 146.02,143.08 145.5,143.08 144.45,142.03 144.45,140.92 144.58,140.78 145.08,140.78 145.38,140.49 145.38,139.73 145.08,139.44 144.58,139.44 144.45,139.31 144.45,138.78 144.58,138.64 145.08,138.64 145.38,138.35 145.38,137.59 145.08,137.3 144.58,137.3 144.45,137.17 144.45,136.64 144.58,136.5 144.9,136.5 145.17,136.23 145.17,135.47 144.86,135.16 144.58,135.16 144.45,135.03 144.45,134.3 145.48,133.27 145.48,131.96 145.18,131.67 144.61,131.67 144.47,131.53 144.47,130.87 145.48,129.86 145.48,118.07 146.25,117.29 146.25,115.05 145.97,114.77 145.97,107.16 144.85,106.04 144.85,105.24 143.5,103.88 143.02,103.88 139.13,99.99 139.13,98.75 139.84,98.04 139.84,92.35 141.96,90.23 141.96,90.19 142.03,90.11 142.03,70.61 140.52,69.1 139.37,69.1
FMC_HPC1_LA07_P: length 151.9
  TOP w0.102: 135.57,56.44 v2(136.06,55.95) ; J2.H13 v3(159.15,164.5)
  16_SIG5 w0.075: 139.37,69.37 139.35,69.37 139.31,69.33 138.77,69.33 138.42,68.99 138.42,60.71 138.19,60.47 136.8,60.47 136.45,60.13 136.45,56.02 136.38,55.95 v2(136.06,55.95)
  16_SIG5 w0.087: 139.37,69.37 140.41,69.37 141.61,70.57 141.76,70.72 141.76,90 141.68,90.07 141.68,90.12 139.57,92.23 139.57,97.93 138.86,98.64 138.86,100.1 142.91,104.16 143.38,104.16 144.58,105.35 144.58,106.15 145.7,107.27 145.7,114.88 145.98,115.16 145.98,117.18 145.2,117.95 145.2,129.75 144.2,130.75 144.2,131.65 144.49,131.94 145.07,131.94 145.2,132.07 145.2,133.16 144.18,134.18 144.18,135.14 144.47,135.43 144.74,135.43 144.9,135.59 144.9,136.12 144.79,136.23 144.47,136.23 144.18,136.52 144.18,137.28 144.47,137.57 144.97,137.57 145.1,137.71 145.1,138.24 144.97,138.37 144.47,138.37 144.18,138.66 144.18,139.42 144.47,139.71 144.97,139.71 145.1,139.85 145.1,140.38 144.97,140.51 144.47,140.51 144.18,140.8 144.18,142.14 145.39,143.35 146.13,143.35 146.97,142.51 147.16,142.51 147.53,142.89 147.53,143.08 146.69,143.92 146.69,144.33 147.23,144.87 147.64,144.87 149.3,143.21 149.49,143.21 149.86,143.59 149.86,143.77 148.21,145.43 148.21,145.85 148.74,146.38 149.16,146.38 150.52,145.02 150.64,145.02 151.08,145.46 151.08,145.58 148.93,147.73 147.81,148.85 147.81,151.14 149.32,152.65 153.78,152.65 155.89,154.76 155.89,158.57 156.33,159.01 158.15,159.01 158.39,159.25 158.39,162.31 158.21,162.49 157.81,162.49 157.58,162.49 157.58,162.49 157.53,162.49 157.29,162.73 157.14,162.89 157.14,164.97 157.43,165.26 158.14,165.26 158.42,164.99 158.42,164.65 158.79,164.27 158.92,164.27 v3(159.15,164.5)
FMC_HPC1_LA08_N: length 148.6
  TOP w0.102: 138.52,56.44 v2(139.01,55.95) ; J2.G13 v3(159.15,163.25)
  16_SIG5 w0.075: 139.71,55.6 139.69,55.6 139.65,55.56 138.65,55.56 138.57,55.64 138.57,55.87 138.65,55.95 v2(139.01,55.95)
  16_SIG5 w0.087: v3(159.15,163.25) 159.29,163.39 159.54,163.39 159.64,163.29 159.64,151.56 156.07,147.99 156.07,141.06 155.94,140.93 154.79,140.93 154.5,140.63 154.5,139.88 154.79,139.58 155.94,139.58 156.07,139.45 156.07,138.92 155.94,138.79 154.07,138.79 153.78,138.49 153.78,137.74 154.07,137.44 155.94,137.44 156.07,137.31 156.07,136.78 155.94,136.65 154.07,136.65 153.78,136.35 153.78,135.6 154.07,135.3 155.8,135.3 156.45,134.66 156.45,132.68 156.07,132.3 155.89,132.3 154.34,133.85 153.86,133.85 153.35,133.35 153.35,132.93 154.94,131.35 154.94,131.16 154.56,130.79 154.37,130.79 152.77,132.39 152.25,132.39 151.62,131.76 151.62,131.27 152.77,130.12 152.77,129.93 152.39,129.56 152.2,129.56 151.61,130.14 151.2,130.14 150.71,129.65 150.71,125.04 148.22,122.56 148.22,120.31 149.03,119.51 149.03,117.7 148.89,117.57 148.21,117.57 147.92,117.28 147.92,116.52 148.21,116.22 148.89,116.22 149.03,116.09 149.03,113.41 148.89,113.27 147.99,113.27 147.7,112.98 147.7,112.22 147.99,111.93 149.08,111.93 149.47,111.53 149.47,108.94 147.77,107.23 147.77,106.24 147.12,105.59 147.12,104.06 146.38,103.32 146.38,102.13 145.1,100.84 145.1,99.68 142.4,96.98 142.4,92.74 143.98,91.16 143.98,70.12 141.48,67.63 141.48,56.89 140.2,55.6 139.71,55.6
FMC_HPC1_LA08_P: length 148.8
  TOP w0.102: J2.G12 v3(160.4,163.25) ; 137.54,56.44 v2(138.03,55.95)
  16_SIG5 w0.075: v2(138.03,55.95) 138.3,55.95 138.38,55.87 138.38,55.56 138.57,55.37 139.65,55.37 139.69,55.33 139.71,55.33
  16_SIG5 w0.087: v3(160.4,163.25) 159.91,162.76 159.91,151.45 156.34,147.88 156.34,140.95 156.05,140.65 154.91,140.65 154.78,140.52 154.78,139.99 154.91,139.86 156.05,139.86 156.34,139.56 156.34,138.81 156.05,138.51 154.18,138.51 154.05,138.38 154.05,137.85 154.18,137.72 156.05,137.72 156.34,137.42 156.34,136.67 156.05,136.37 154.18,136.37 154.05,136.24 154.05,135.71 154.18,135.58 155.92,135.58 156.72,134.77 156.72,132.56 156.19,132.03 155.77,132.03 154.22,133.58 153.97,133.58 153.63,133.23 153.63,133.05 155.21,131.46 155.21,131.05 154.67,130.51 154.26,130.51 152.65,132.12 152.36,132.12 151.89,131.65 151.89,131.38 153.04,130.23 153.04,129.82 152.51,129.28 152.09,129.28 151.5,129.87 151.31,129.87 150.98,129.54 150.98,124.93 148.5,122.45 148.5,120.42 149.3,119.62 149.3,117.59 149.01,117.29 148.33,117.29 148.2,117.16 148.2,116.63 148.33,116.5 149.01,116.5 149.3,116.21 149.3,113.29 149.01,113 148.11,113 147.98,112.87 147.98,112.34 148.11,112.2 149.19,112.2 149.75,111.64 149.75,108.82 148.04,107.11 148.04,106.13 147.39,105.48 147.39,103.94 146.66,103.21 146.66,102.01 145.38,100.73 145.38,99.57 142.67,96.87 142.67,92.85 144.25,91.27 144.25,70.01 141.76,67.51 141.76,56.77 140.31,55.33 139.71,55.33
FMC_HPC1_LA09_N: length 151.2
  TOP w0.102: J2.D15 v3(156.65,159.5) ; v2(135.08,54.96) 134.58,55.46
  TOP w0.375: U1.BB14 v2(106.53,46.11)
  16_SIG5 w0.075: v2(135.08,54.96) 134.76,54.96 134.68,55.04 134.68,55.31 134.76,55.39 135.34,55.39 135.67,55.72 135.67,61.03 135.9,61.26 137.33,61.26 137.63,61.57 137.63,69.89 137.87,70.12 139.29,70.12 139.33,70.08 139.35,70.08
  16_SIG5 w0.087: v3(156.65,159.5) 156.94,159.79 156.94,159.9 156.85,159.99 155.12,159.99 154.91,159.78 154.91,154.81 153.63,153.53 148.74,153.53 146.63,151.41 146.63,148.41 147.44,147.6 147.44,147.18 146.91,146.65 146.49,146.65 145.67,147.46 145.49,147.46 145.11,147.09 145.11,146.9 145.63,146.38 145.63,145.97 145.09,145.43 144.68,145.43 144.16,145.95 143.97,145.95 143.3,145.28 143.3,143.59 143.77,143.12 143.77,142.7 143.24,142.17 142.82,142.17 142.34,142.65 142.16,142.65 141.78,142.27 141.78,142.08 142.26,141.61 142.26,141.19 141.59,140.52 141.59,139.91 141.72,139.77 143.23,139.77 143.53,139.48 143.53,138.72 143.23,138.43 141.72,138.43 141.59,138.3 141.59,136.07 143.16,134.49 143.16,132.86 142.67,132.36 142.67,130.76 143.01,130.42 143.01,129.36 144.56,127.81 144.56,126.3 144.26,126 143.68,126 143.55,125.87 143.55,125.34 143.68,125.21 144.26,125.21 144.56,124.91 144.56,124.16 144.26,123.86 143.68,123.86 143.55,123.73 143.55,123.2 143.68,123.07 144.26,123.07 144.56,122.77 144.56,122.02 144.26,121.72 143.06,121.72 142.61,122.16 140.7,122.16 140.14,121.6 140.14,113.87 141.23,112.78 141.23,110.54 141.36,110.4 142.05,110.4 142.32,110.13 142.32,109.34 142.05,109.06 141.36,109.06 141.23,108.93 141.23,108.4 141.36,108.26 142.73,108.26 142.99,108 142.99,107.25 142.67,106.92 141.36,106.92 141.23,106.79 141.23,105.43 140.13,104.33 140.13,103.49 137.59,100.95 137.59,99.28 137.07,98.75 137.07,93.9 141.1,89.88 141.1,71.54 139.64,70.08 139.35,70.08
FMC_HPC1_LA09_P: length 151.7
  TOP w0.102: v2(134.09,54.96) 133.6,55.46 ; J2.D14 v3(157.9,159.5)
  16_SIG5 w0.075: 139.35,70.36 139.33,70.36 139.29,70.32 137.78,70.32 137.44,69.97 137.44,61.65 137.25,61.46 135.82,61.46 135.47,61.11 135.47,55.8 135.26,55.58 134.68,55.58 134.49,55.39 134.49,55.04 134.41,54.96 v2(134.09,54.96)
  16_SIG5 w0.087: 139.35,70.36 139.53,70.36 140.82,71.65 140.82,89.76 136.79,93.79 136.79,98.87 137.32,99.39 137.32,101.07 139.86,103.61 139.86,104.44 140.95,105.54 140.95,106.9 141.25,107.19 142.55,107.19 142.72,107.36 142.72,107.89 142.62,107.99 141.25,107.99 140.95,108.28 140.95,109.04 141.25,109.33 141.93,109.33 142.05,109.45 142.05,110.01 141.93,110.13 141.25,110.13 140.95,110.42 140.95,112.66 139.86,113.76 139.86,121.71 140.59,122.44 142.73,122.44 143.17,122 144.15,122 144.28,122.13 144.28,122.66 144.15,122.79 143.57,122.79 143.28,123.09 143.28,123.84 143.57,124.14 144.15,124.14 144.28,124.27 144.28,124.8 144.15,124.93 143.57,124.93 143.28,125.23 143.28,125.98 143.57,126.28 144.15,126.28 144.28,126.41 144.28,127.69 142.73,129.25 142.73,130.3 142.39,130.64 142.39,132.47 142.89,132.97 142.89,134.38 141.31,135.96 141.31,138.41 141.6,138.7 143.12,138.7 143.25,138.84 143.25,139.37 143.12,139.5 141.6,139.5 141.31,139.79 141.31,140.63 141.98,141.3 141.98,141.49 141.51,141.97 141.51,142.38 142.04,142.92 142.46,142.92 142.94,142.44 143.12,142.44 143.5,142.82 143.5,143.01 143.03,143.48 143.03,145.39 143.86,146.22 144.28,146.22 144.79,145.71 144.98,145.71 145.35,146.08 145.35,146.27 144.84,146.79 144.84,147.2 145.37,147.74 145.79,147.74 146.6,146.92 146.79,146.92 147.17,147.3 147.17,147.48 146.35,148.3 146.35,151.53 148.63,153.8 153.51,153.8 154.64,154.93 154.64,159.89 155.01,160.26 156.96,160.26 157.22,160.01 157.22,159.72 157.44,159.5 v3(157.9,159.5)
FMC_HPC1_LA10_N: length 148.3
  TOP w0.102: 134.58,53.49 v2(135.08,52.99) ; J2.C15 v3(156.65,158.25)
  16_SIG5 w0.075: v2(135.08,52.99) 135.08,53.31 135,53.39 134.81,53.39 134.5,53.7 134.5,54.35 134.72,54.57 137.21,54.57 137.44,54.8 137.44,56.19 137.78,56.54 139.52,56.54 140.34,57.36 140.34,58 140.3,58.04 140.3,58.06
  16_SIG5 w0.087: 140.3,58.06 140.3,67.98 142.81,70.49 142.81,90.25 141.48,91.58 141.48,97.94 142.09,98.54 142.09,100.56 142.69,101.17 142.69,102.68 143.26,103.25 144.45,103.25 145.57,104.37 145.57,105.61 146.63,106.67 146.63,114.27 146.97,114.61 146.97,123.46 147.9,124.39 147.9,124.57 147.39,125.09 147.39,125.5 147.92,126.04 148.34,126.04 148.85,125.52 149.04,125.52 149.38,125.87 149.38,127.55 149.25,127.68 148.47,127.68 148.18,127.97 148.18,128.73 148.47,129.02 149.25,129.02 149.38,129.16 149.38,130.03 149.25,130.17 148.17,130.17 147.87,130.46 147.87,131.22 148.17,131.51 148.59,131.51 149.38,132.3 149.38,135.11 149.99,135.72 149.99,137.06 149.85,137.2 148.27,137.2 147.96,137.51 147.96,138.61 148.22,138.88 149.86,138.88 149.99,139.01 149.99,139.91 151.5,141.42 151.5,141.61 150.57,142.54 150.57,142.96 151.1,143.5 151.52,143.5 152.45,142.56 152.64,142.56 153.01,142.94 153.01,143.12 152.17,143.97 152.17,144.56 152.64,145.03 152.64,145.85 149.24,149.25 149.24,150.79 149.95,151.5 150.87,151.5 151.16,151.21 151.16,150.13 151.3,150 151.83,150 151.96,150.13 151.96,151.21 152.25,151.5 153.01,151.5 153.3,151.21 153.3,150.13 153.44,150 153.97,150 154.1,150.13 154.1,151.21 154.39,151.5 155.15,151.5 155.44,151.21 155.44,150.13 155.58,150 156.11,150 156.24,150.13 156.24,151.21 157.14,152.11 157.14,157.76 v3(156.65,158.25)
FMC_HPC1_LA10_P: length 149.8
  TOP w0.102: J2.C14 v3(157.9,158.25) ; v2(135.08,53.98) 134.58,54.47
  TOP w0.375: U1.BB13 v2(105.55,46.11)
  16_SIG5 w0.075: 140.58,58.06 140.58,58.04 140.54,58 140.54,57.28 139.6,56.34 137.87,56.34 137.63,56.11 137.63,54.72 137.29,54.37 134.8,54.37 134.7,54.27 134.7,53.78 134.89,53.58 135,53.58 135.08,53.66 v2(135.08,53.98)
  16_SIG5 w0.087: v3(157.9,158.25) 157.51,158.25 157.41,158.15 157.41,154.97 157.54,154.84 157.63,154.84 157.76,154.71 157.76,154.44 157.63,154.31 157.54,154.31 157.41,154.18 157.41,153.91 157.54,153.78 157.68,153.78 157.81,153.65 157.81,153.39 157.67,153.25 157.54,153.25 157.41,153.12 157.41,151.99 156.51,151.09 156.51,150.02 156.22,149.73 155.46,149.73 155.17,150.02 155.17,151.09 155.04,151.23 154.51,151.23 154.37,151.09 154.37,150.02 154.08,149.73 153.32,149.73 153.03,150.02 153.03,151.09 152.9,151.23 152.37,151.23 152.23,151.09 152.23,150.02 151.94,149.73 151.18,149.73 150.89,150.02 150.89,151.09 150.76,151.23 150.06,151.23 149.51,150.68 149.51,149.36 152.92,145.96 152.92,144.92 152.44,144.45 152.44,144.08 153.29,143.24 153.29,142.82 152.75,142.29 152.34,142.29 151.4,143.22 151.22,143.22 150.84,142.85 150.84,142.66 151.78,141.72 151.78,141.31 150.27,139.8 150.27,138.89 149.97,138.6 148.34,138.6 148.23,138.49 148.23,137.62 148.38,137.47 149.96,137.47 150.27,137.17 150.27,135.61 149.66,135 149.66,132.19 148.7,131.24 148.28,131.24 148.15,131.1 148.15,130.57 148.28,130.44 149.36,130.44 149.66,130.15 149.66,129.04 149.36,128.75 148.59,128.75 148.46,128.62 148.46,128.09 148.59,127.95 149.36,127.95 149.66,127.66 149.66,125.76 149.15,125.25 148.73,125.25 148.22,125.76 148.04,125.76 147.66,125.39 147.66,125.2 148.17,124.69 148.17,124.27 147.25,123.35 147.25,114.49 146.91,114.15 146.91,106.56 145.85,105.5 145.85,104.26 144.56,102.97 143.37,102.97 142.96,102.56 142.96,101.06 142.36,100.45 142.36,98.43 141.75,97.82 141.75,91.69 143.08,90.36 143.08,70.38 140.58,67.87 140.58,58.06
FMC_HPC1_LA11_N: length 152.1
  TOP w0.102: v2(134.09,55.95) 133.6,56.44 ; J2.H17 v3(154.15,164.5)
  16_SIG5 w0.075: v2(134.09,55.95) 134.09,56.27 134.17,56.34 134.33,56.34 134.68,56.7 134.68,61.98 134.95,62.25 136.3,62.25 136.65,62.59 136.65,70.84 136.92,71.11 139.5,71.11 140.07,71.67 140.07,72.1 140.11,72.14 140.11,72.16
  16_SIG5 w0.087: v3(154.15,164.5) 154.71,164.5 154.86,164.65 154.86,164.94 154.8,165 153.93,165 153.67,164.74 153.67,155.44 152.84,154.61 146.55,154.61 145.03,153.08 145.03,149.79 144.44,149.21 144.03,149.21 143.01,150.23 142.82,150.23 142.45,149.85 142.45,149.66 143.36,148.76 143.36,148.34 142.82,147.81 142.4,147.81 141.5,148.71 141.31,148.71 139.84,147.25 139.84,146.44 139.98,146.3 141.93,146.3 142.25,145.99 142.25,145.25 141.96,144.96 140.11,144.96 139.95,144.8 139.95,144.27 140.06,144.16 140.96,144.16 141.25,143.87 141.25,143.11 140.96,142.82 139.98,142.82 139.84,142.69 139.84,139.09 139.59,138.85 139.06,138.85 138.97,138.76 138.97,138.5 139.06,138.41 139.59,138.41 139.84,138.16 139.84,137.67 139.59,137.42 139.06,137.42 138.97,137.33 138.97,137.07 139.06,136.98 139.59,136.98 139.84,136.73 139.84,136.24 139.59,136 139.06,136 138.97,135.91 138.97,135.65 139.06,135.56 139.59,135.56 139.84,135.31 139.84,133.66 139.98,133.52 141.2,133.52 141.49,133.23 141.49,132.47 141.2,132.18 139.98,132.18 139.84,132.05 139.84,131.52 139.98,131.38 140.79,131.38 141.09,131.09 141.09,130.33 140.79,130.04 139.98,130.04 139.84,129.91 139.84,126.92 140.8,125.96 140.8,123.57 139.2,121.96 139.2,112.46 139.78,111.88 139.78,109.87 137.93,108.02 137.93,103.53 136.07,101.67 136.07,93.68 140.11,89.64 140.11,72.16
FMC_HPC1_LA11_P: length 152.2
  TOP w0.102: 133.6,57.42 133.6,57.42 v2(134.09,56.93) ; J2.H16 v3(155.4,164.5)
  16_SIG5 w0.075: v2(134.09,56.93) 134.09,56.61 134.17,56.54 134.24,56.54 134.49,56.78 134.49,62.06 134.87,62.44 136.22,62.44 136.45,62.67 136.45,70.92 136.84,71.3 139.42,71.3 139.87,71.76 139.87,72.1 139.83,72.14 139.83,72.16
  16_SIG5 w0.087: 139.83,72.16 139.83,89.53 135.79,93.57 135.79,101.78 137.65,103.64 137.65,108.14 139.5,109.99 139.5,111.77 138.92,112.35 138.92,122.07 140.53,123.68 140.53,125.85 139.57,126.81 139.57,130.02 139.86,130.31 140.68,130.31 140.81,130.45 140.81,130.98 140.68,131.11 139.86,131.11 139.57,131.4 139.57,132.16 139.86,132.45 141.09,132.45 141.22,132.59 141.22,133.12 141.09,133.25 139.86,133.25 139.57,133.54 139.57,135.2 139.48,135.28 138.95,135.28 138.7,135.53 138.7,136.02 138.95,136.27 139.48,136.27 139.57,136.36 139.57,136.62 139.48,136.71 138.95,136.71 138.7,136.96 138.7,137.45 138.95,137.7 139.48,137.7 139.57,137.78 139.57,138.05 139.48,138.13 138.95,138.13 138.7,138.38 138.7,138.87 138.95,139.12 139.48,139.12 139.57,139.21 139.57,142.8 139.86,143.09 140.84,143.09 140.97,143.23 140.97,143.76 140.84,143.89 139.95,143.89 139.68,144.16 139.68,144.92 140,145.23 141.84,145.23 141.97,145.37 141.97,145.87 141.82,146.03 139.86,146.03 139.57,146.32 139.57,147.36 141.2,148.99 141.61,148.99 142.52,148.08 142.71,148.08 143.08,148.46 143.08,148.64 142.17,149.55 142.17,149.97 142.71,150.5 143.13,150.5 144.14,149.48 144.33,149.48 144.75,149.9 144.75,153.2 146.44,154.89 152.73,154.89 153.4,155.55 153.4,164.86 153.81,165.28 154.92,165.28 155.14,165.05 155.14,164.65 155.29,164.5 v3(155.4,164.5)
FMC_HPC1_LA12_N: length 148.7
  TOP w0.102: 135.57,54.47 v2(136.06,53.98) ; J2.G16 v3(155.4,163.25)
  TOP w0.375: v2(105.55,45.12) U1.BC13
  18_SIG6 w0.075: 139.57,54.33 139.54,54.33 139.51,54.37 136.45,54.37 v2(136.06,53.98)
  18_SIG6 w0.087: v3(155.4,163.25) 156.16,164.01 157.08,164.01 157.41,163.68 157.41,154.69 157.7,154.4 159.66,154.4 160.1,153.96 160.1,151.56 160.24,151.43 162.25,151.43 162.62,151.05 162.62,150.43 162.28,150.08 161.2,150.08 161.06,149.95 161.06,149.42 161.2,149.29 162.64,149.29 162.94,149 162.94,148.24 162.64,147.94 161.2,147.94 161.06,147.81 161.06,147.28 161.2,147.15 162.5,147.15 162.8,146.85 162.8,146.1 162.5,145.8 161.2,145.8 161.06,145.67 161.06,143.87 163.12,141.82 163.12,140.09 162.51,139.49 162.51,137.03 163.94,135.59 163.94,134.3 162.95,133.3 162.95,129.41 164.96,127.4 164.96,121.16 165.79,120.33 165.79,110.97 163.95,109.13 160.85,109.13 159.5,107.78 159.5,106.4 157.46,104.35 157.46,102.91 156.1,101.55 156.1,100.38 155.7,99.98 155.7,98.77 154.97,98.04 151.22,98.04 150.68,97.51 150.68,97.24 150.16,96.72 149.28,96.72 149.02,96.46 149.02,91.92 144.54,87.43 144.54,70.15 141.1,66.71 141.1,55.43 140.01,54.33 139.57,54.33
FMC_HPC1_LA12_P: length 148.8
  TOP w0.102: J2.G15 v3(156.65,163.25) ; 135.57,55.46 v2(136.06,54.96)
  TOP w0.375: v2(106.53,45.12) U1.BC14
  18_SIG6 w0.075: v2(136.06,54.96) 135.99,54.89 135.99,54.64 136.06,54.57 139.51,54.57 139.54,54.61 139.57,54.61
  18_SIG6 w0.087: v3(156.65,163.25) 156.65,162.96 156.49,162.8 156.18,162.8 156.01,162.98 156.01,163.47 156.28,163.74 156.96,163.74 157.14,163.56 157.14,154.57 157.59,154.12 159.55,154.12 159.83,153.84 159.83,151.45 160.12,151.15 162.14,151.15 162.35,150.94 162.35,150.54 162.17,150.36 161.08,150.36 160.79,150.07 160.79,149.31 161.08,149.01 162.53,149.01 162.66,148.88 162.66,148.35 162.53,148.22 161.08,148.22 160.79,147.93 160.79,147.17 161.08,146.87 162.39,146.87 162.53,146.74 162.53,146.22 162.39,146.08 161.08,146.08 160.79,145.79 160.79,143.75 162.84,141.7 162.84,140.21 162.24,139.6 162.24,136.91 163.67,135.48 163.67,134.41 162.67,133.42 162.67,129.3 164.68,127.28 164.68,121.04 165.51,120.21 165.51,111.09 163.83,109.41 160.73,109.41 159.22,107.9 159.22,106.51 157.18,104.47 157.18,103.02 155.82,101.67 155.82,100.49 155.43,100.09 155.43,98.88 154.86,98.32 151.1,98.32 150.41,97.63 150.41,97.35 150.05,96.99 149.17,96.99 148.75,96.57 148.75,92.03 144.26,87.55 144.26,70.26 140.82,66.82 140.82,55.54 139.89,54.61 139.57,54.61
